# Altium PCB higgs.PcbDoc (part 8 of 25) (continued)
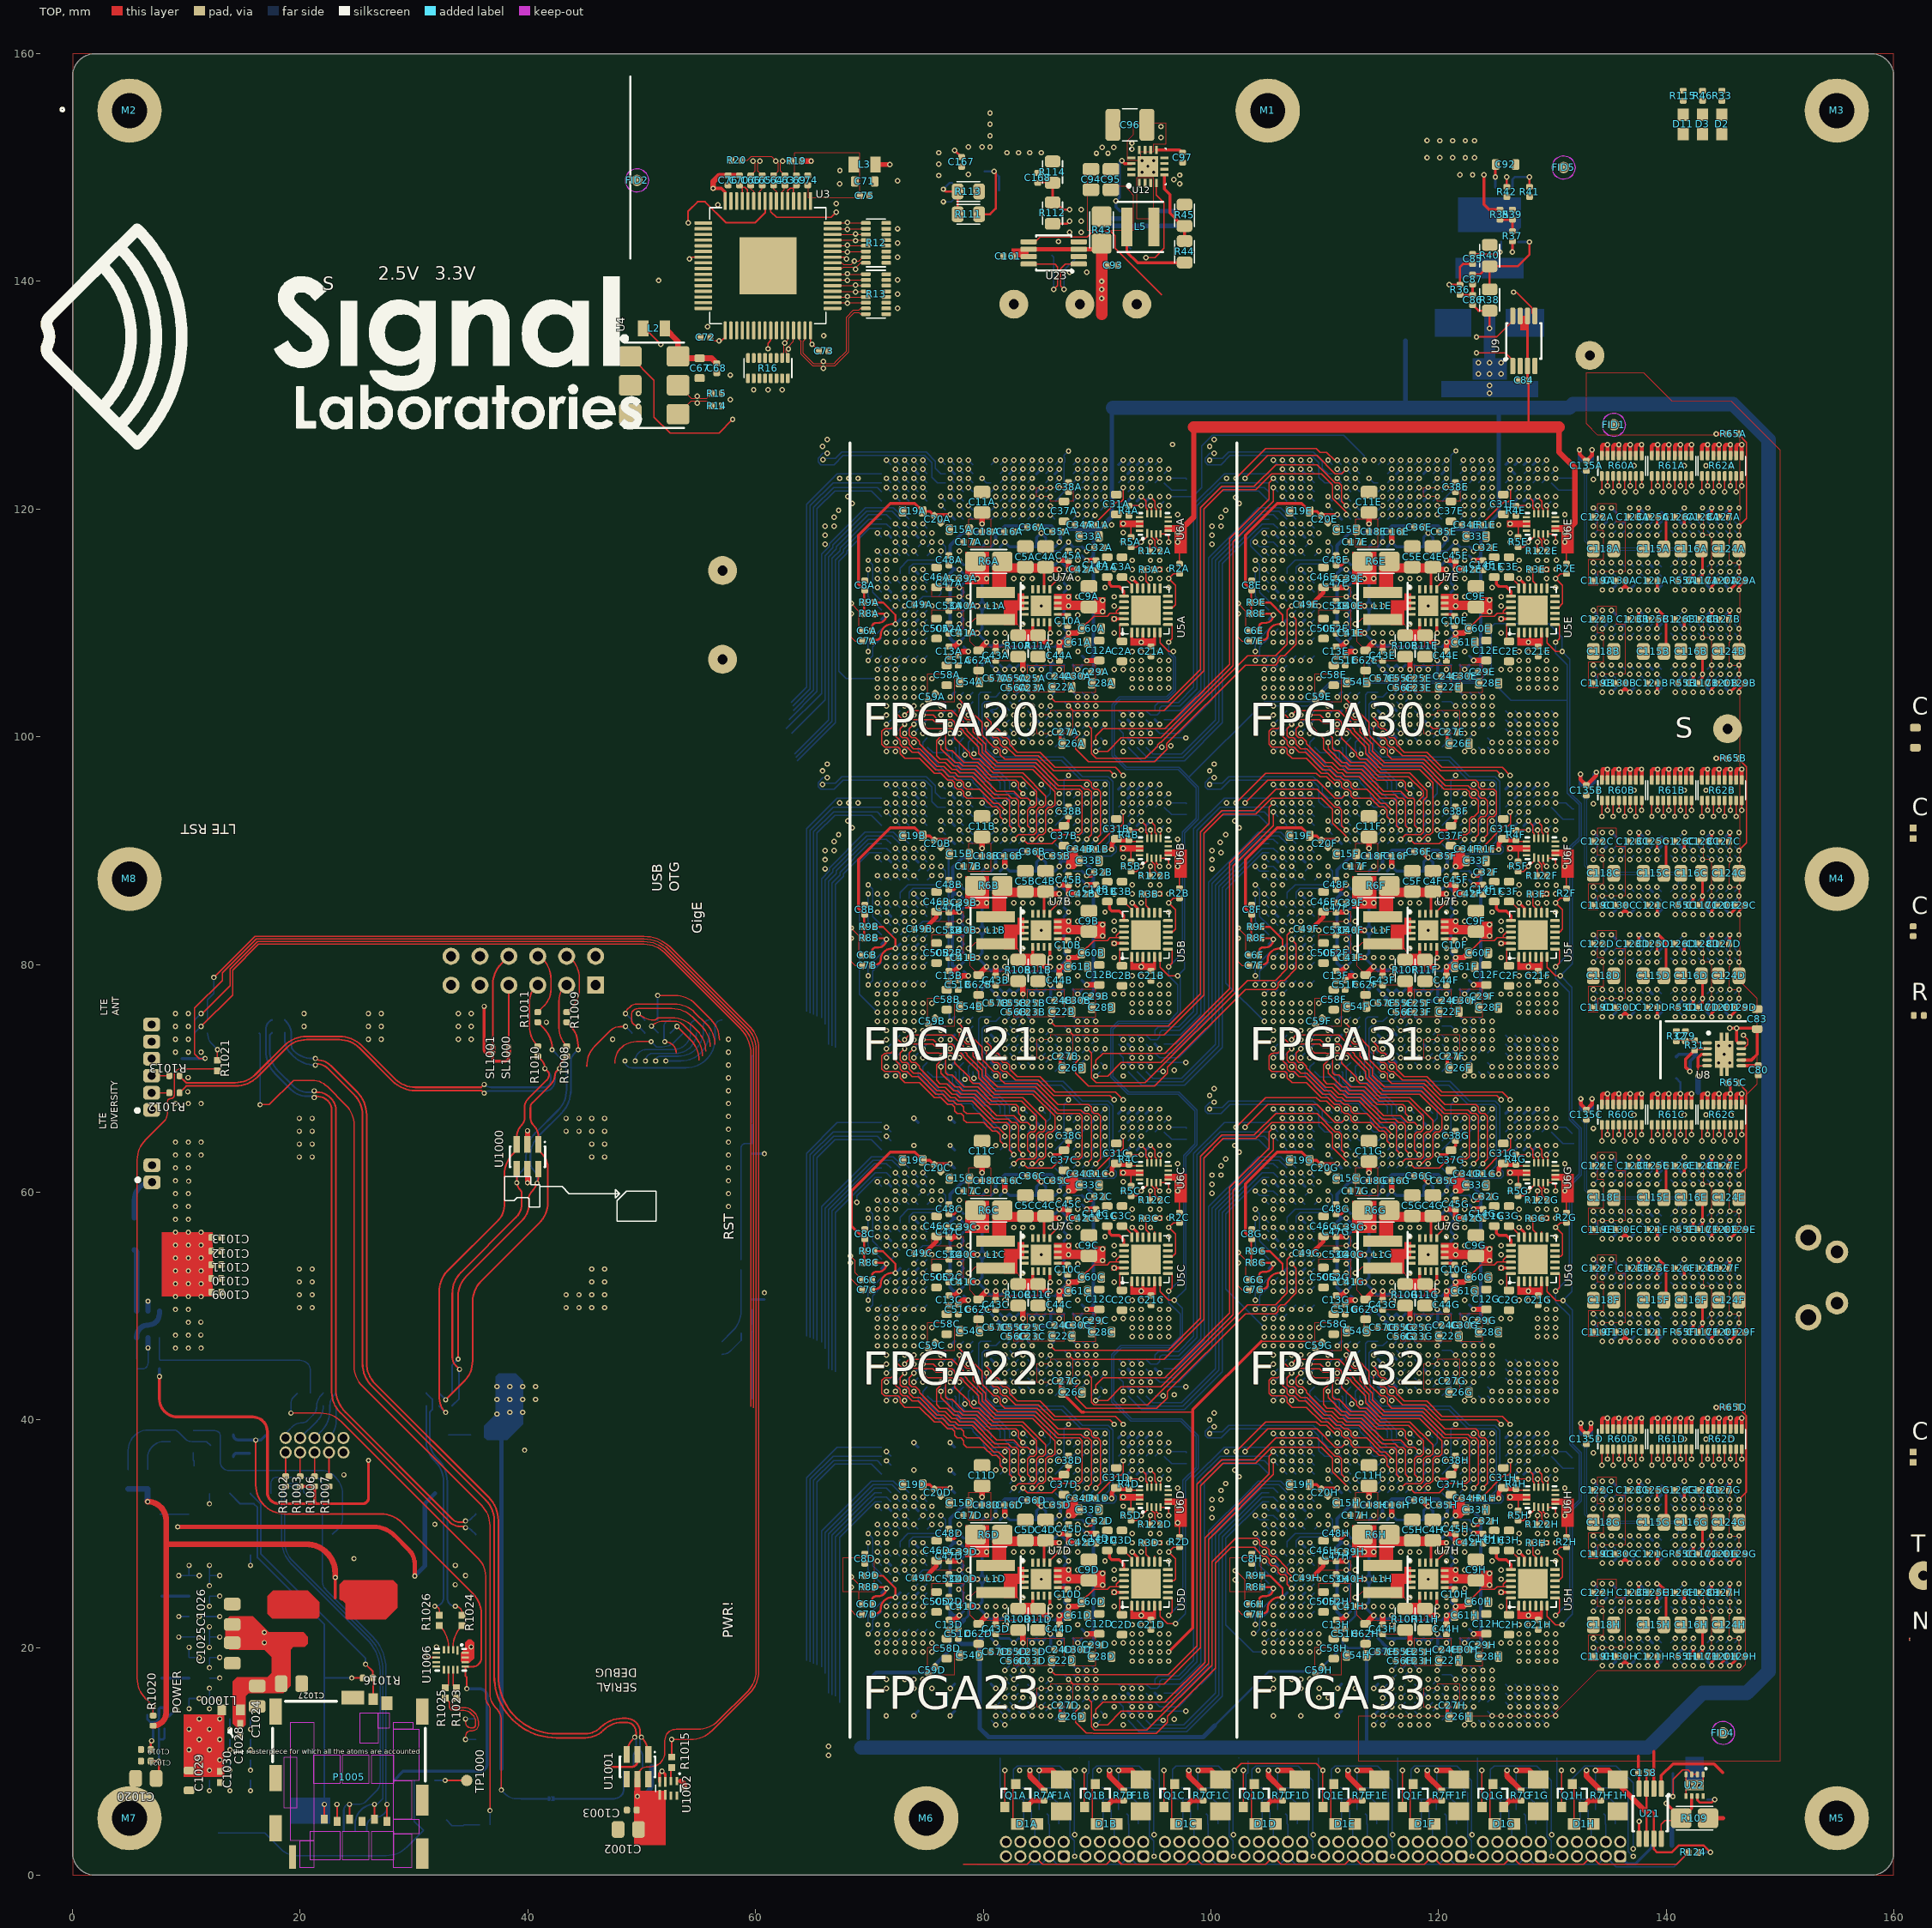
[diagram p0: TOP view]
## Nets (pads, with @x,y where several pads share a name; then routed paths per layer and width w, separated by ;. In a path a pad name is that pad's centre, name@x,y a point inside that pad or via, vN(x,y) a via of type N, cw(c..) or ccw(c..) an arc to the next point about the centre after c; other vN are vias at no path point) (continued)
 U1F.Y22 U1F.Y31 U1G.AA11 U1G.AA22 U1G.AB11 U1G.AB12 U1G.AB13 U1G.AB14 U1G.AB15 U1G.AB16 U1G.AB17 U1G.AB18 U1G.AB19 U1G.AB20 U1G.AB21 U1G.AB22 U1G.AC12 U1G.AC13 U1G.AC14 U1G.AC15 U1G.AC16 U1G.AC17 U1G.AC18 U1G.AC19 U1G.AC20 U1G.AC21 U1G.AD2 U1G.AD5 U1G.AD28 U1G.AD31 U1G.AF11 U1G.AF12 U1G.AF14 U1G.AF15 U1G.AF16 U1G.AF17 U1G.AF19 U1G.AF20 U1G.AF22 U1G.AF23 U1G.AG9 U1G.AG11 U1G.AG12 U1G.AG14 U1G.AG15 U1G.AG16 U1G.AG17 U1G.AG19 U1G.AG20 U1G.AG22 U1G.AG23 U1G.AH2 U1G.AH5 U1G.AH7 U1G.AH8 U1G.AH9 U1G.AH11 U1G.AH12 U1G.AH14 U1G.AH15 U1G.AH16 U1G.AH17 U1G.AH19 U1G.AH20 U1G.AH22 U1G.AH23 U1G.AH24 U1G.AH25 U1G.AH26 U1G.AH29 U1G.AH31 U1G.AJ7 U1G.AJ8 U1G.AJ9 U1G.AJ10 U1G.AJ11 U1G.AJ12 U1G.AJ13 U1G.AJ14 U1G.AJ15 U1G.AJ16 U1G.AJ17 U1G.AJ18 U1G.AJ19 U1G.AJ20 U1G.AJ21 U1G.AJ22 U1G.AJ23 U1G.AJ24 U1G.AJ25 U1G.AJ26 U1G.AK7 U1G.AK8 U1G.AK11 U1G.AK14 U1G.AK17 U1G.AK20 U1G.AK23 U1G.AK26 U1G.AL2 U1G.AL5 U1G.AL7 U1G.AL8 U1G.AL9 U1G.AL11 U1G.AL12 U1G.AL14 U1G.AL15 U1G.AL17 U1G.AL18 U1G.AL20 U1G.AL21 U1G.AL23 U1G.AL24 U1G.AL26 U1G.AL29 U1G.AL31 U1G.AM7 U1G.AM8 U1G.AM9 U1G.AM11 U1G.AM12 U1G.AM14 U1G.AM15 U1G.AM17 U1G.AM18 U1G.AM20 U1G.AM21 U1G.AM23 U1G.AM24 U1G.AM26 U1G.B2 U1G.B5 U1G.B9 U1G.B13 U1G.B15 U1G.B18 U1G.B20 U1G.B24 U1G.B28 U1G.B31 U1G.E2 U1G.E5 U1G.E9 U1G.E13 U1G.E15 U1G.E18 U1G.E20 U1G.E24 U1G.E28 U1G.E31 U1G.J2 U1G.J5 U1G.J28 U1G.J31 U1G.K10 U1G.K11 U1G.K22 U1G.K23 U1G.L10 U1G.L11 U1G.L12 U1G.L13 U1G.L14 U1G.L15 U1G.L16 U1G.L17 U1G.L18 U1G.L19 U1G.L20 U1G.L21 U1G.L22 U1G.L23 U1G.M11 U1G.M22 U1G.N2 U1G.N5 U1G.N11 U1G.N13 U1G.N14 U1G.N15 U1G.N16 U1G.N17 U1G.N18 U1G.N19 U1G.N20 U1G.N22 U1G.N28 U1G.N31 U1G.P11 U1G.P13 U1G.P14 U1G.P15 U1G.P16 U1G.P17 U1G.P18 U1G.P19 U1G.P20 U1G.P22 U1G.R2 U1G.R5 U1G.R11 U1G.R13 U1G.R14 U1G.R15 U1G.R16 U1G.R17 U1G.R18 U1G.R19 U1G.R20 U1G.R22 U1G.R28 U1G.R31 U1G.T11 U1G.T13 U1G.T14 U1G.T15 U1G.T16 U1G.T17 U1G.T18 U1G.T19 U1G.T20 U1G.T22 U1G.U11 U1G.U13 U1G.U14 U1G.U15 U1G.U16 U1G.U17 U1G.U18 U1G.U19 U1G.U20 U1G.U22 U1G.V2 U1G.V5 U1G.V11 U1G.V13 U1G.V14 U1G.V15 U1G.V16 U1G.V17 U1G.V18 U1G.V19 U1G.V20 U1G.V22 U1G.V28 U1G.V31 U1G.W11 U1G.W13 U1G.W14 U1G.W15 U1G.W16 U1G.W17 U1G.W18 U1G.W19 U1G.W20 U1G.W22 U1G.Y2 U1G.Y11 U1G.Y13 U1G.Y14 U1G.Y15 U1G.Y16 U1G.Y17 U1G.Y18 U1G.Y19 U1G.Y20 U1G.Y22 U1G.Y31 U1H.AA11 U1H.AA22 U1H.AB11 U1H.AB12 U1H.AB13 U1H.AB14 U1H.AB15 U1H.AB16 U1H.AB17 U1H.AB18 U1H.AB19 U1H.AB20 U1H.AB21 U1H.AB22 U1H.AC12 U1H.AC13 U1H.AC14 U1H.AC15 U1H.AC16 U1H.AC17 U1H.AC18 U1H.AC19 U1H.AC20 U1H.AC21 U1H.AD2 U1H.AD5 U1H.AD28 U1H.AD31 U1H.AF11 U1H.AF12 U1H.AF14 U1H.AF15 U1H.AF16 U1H.AF17 U1H.AF19 U1H.AF20 U1H.AF22 U1H.AF23 U1H.AG9 U1H.AG11 U1H.AG12 U1H.AG14 U1H.AG15 U1H.AG16 U1H.AG17 U1H.AG19 U1H.AG20 U1H.AG22 U1H.AG23 U1H.AH2 U1H.AH5 U1H.AH7 U1H.AH8 U1H.AH9 U1H.AH11 U1H.AH12 U1H.AH14 U1H.AH15 U1H.AH16 U1H.AH17 U1H.AH19 U1H.AH20 U1H.AH22 U1H.AH23 U1H.AH24 U1H.AH25 U1H.AH26 U1H.AH29 U1H.AH31 U1H.AJ7 U1H.AJ8 U1H.AJ9 U1H.AJ10 U1H.AJ11 U1H.AJ12 U1H.AJ13 U1H.AJ14 U1H.AJ15 U1H.AJ16 U1H.AJ17 U1H.AJ18 U1H.AJ19 U1H.AJ20 U1H.AJ21 U1H.AJ22 U1H.AJ23 U1H.AJ24 U1H.AJ25 U1H.AJ26 U1H.AK7 U1H.AK8 U1H.AK11 U1H.AK14 U1H.AK17 U1H.AK20 U1H.AK23 U1H.AK26 U1H.AL2 U1H.AL5 U1H.AL7 U1H.AL8 U1H.AL9 U1H.AL11 U1H.AL12 U1H.AL14 U1H.AL15 U1H.AL17 U1H.AL18 U1H.AL20 U1H.AL21 U1H.AL23 U1H.AL24 U1H.AL26 U1H.AL29 U1H.AL31 U1H.AM7 U1H.AM8 U1H.AM9 U1H.AM11 U1H.AM12 U1H.AM14 U1H.AM15 U1H.AM17 U1H.AM18 U1H.AM20 U1H.AM21 U1H.AM23 U1H.AM24 U1H.AM26 U1H.B2 U1H.B5 U1H.B9 U1H.B13 U1H.B15 U1H.B18 U1H.B20 U1H.B24 U1H.B28 U1H.B31 U1H.E2 U1H.E5 U1H.E9 U1H.E13 U1H.E15 U1H.E18 U1H.E20 U1H.E24 U1H.E28 U1H.E31 U1H.J2 U1H.J5 U1H.J28 U1H.J31 U1H.K10 U1H.K11 U1H.K22 U1H.K23 U1H.L10 U1H.L11 U1H.L12 U1H.L13 U1H.L14 U1H.L15 U1H.L16 U1H.L17 U1H.L18 U1H.L19 U1H.L20 U1H.L21 U1H.L22 U1H.L23 U1H.M11 U1H.M22 U1H.N2 U1H.N5 U1H.N11 U1H.N13 U1H.N14 U1H.N15 U1H.N16 U1H.N17 U1H.N18 U1H.N19 U1H.N20 U1H.N22 U1H.N28 U1H.N31 U1H.P11 U1H.P13 U1H.P14 U1H.P15 U1H.P16 U1H.P17 U1H.P18 U1H.P19 U1H.P20 U1H.P22 U1H.R2 U1H.R5 U1H.R11 U1H.R13 U1H.R14 U1H.R15 U1H.R16 U1H.R17 U1H.R18 U1H.R19 U1H.R20 U1H.R22 U1H.R28 U1H.R31 U1H.T11 U1H.T13 U1H.T14 U1H.T15 U1H.T16 U1H.T17 U1H.T18 U1H.T19 U1H.T20 U1H.T22 U1H.U11 U1H.U13 U1H.U14 U1H.U15 U1H.U16 U1H.U17 U1H.U18 U1H.U19 U1H.U20 U1H.U22 U1H.V2 U1H.V5 U1H.V11 U1H.V13 U1H.V14 U1H.V15 U1H.V16 U1H.V17 U1H.V18 U1H.V19 U1H.V20 U1H.V22 U1H.V28 U1H.V31 U1H.W11 U1H.W13 U1H.W14 U1H.W15 U1H.W16 U1H.W17 U1H.W18 U1H.W19 U1H.W20 U1H.W22 U1H.Y2 U1H.Y11 U1H.Y13 U1H.Y14 U1H.Y15 U1H.Y16 U1H.Y17 U1H.Y18 U1H.Y19 U1H.Y20 U1H.Y22 U1H.Y31 U2A.3 U2A.5 U2A.6 U2A.9 U2A.12 U2A.16 U2A.17 U2B.3 U2B.5 U2B.6 U2B.9 U2B.12 U2B.16 U2B.17 U3.2 U3.3 U3.14 U3.15 U3.32 U3.40 U3.49 U3.65 U4.3 U5A.2 U5A.12 U5A.16 U5A.20 U5A.25 U5B.2 U5B.12 U5B.16 U5B.20 U5B.25 U5C.2 U5C.12 U5C.16 U5C.20 U5C.25 U5D.2 U5D.12 U5D.16 U5D.20 U5D.25 U5E.2 U5E.12 U5E.16 U5E.20 U5E.25 U5F.2 U5F.12 U5F.16 U5F.20 U5F.25 U5G.2 U5G.12 U5G.16 U5G.20 U5G.25 U5H.2 U5H.12 U5H.16 U5H.20 U5H.25 U6A.7 U6A.8 U6A.16 U6B.7 U6B.8 U6B.16 U6C.7 U6C.8 U6C.16 U6D.7 U6D.8 U6D.16 U6E.7 U6E.8 U6E.16 U6F.7 U6F.8 U6F.16 U6G.7 U6G.8 U6G.16 U6H.7 U6H.8 U6H.16 U7A.4 U7A.6 U7A.7 U7A.8 U7A.15 U7A.16 U7A.17 U7B.4 U7B.6 U7B.7 U7B.8 U7B.15 U7B.16 U7B.17 U7C.4 U7C.6 U7C.7 U7C.8 U7C.15 U7C.16 U7C.17 U7D.4 U7D.6 U7D.7 U7D.8 U7D.15 U7D.16 U7D.17 U7E.4 U7E.6 U7E.7 U7E.8 U7E.15 U7E.16 U7E.17 U7F.4 U7F.6 U7F.7 U7F.8 U7F.15 U7F.16 U7F.17 U7G.4 U7G.6 U7G.7 U7G.8 U7G.15 U7G.16 U7G.17 U7H.4 U7H.6 U7H.7 U7H.8 U7H.15 U7H.16 U7H.17 U8.4 U8.8 U8.11 U9.2 U9.4 U10.23 U11.2 U11.4 U12.6 U12.7 U12.8 U12.15 U12.16 U12.17 U13A.1 U13A.2 U13A.4 U13A.11 U13A.12 U13A.14 U13A.15 U13A.16 U13A.17 U13A.21 U13B.1 U13B.2 U13B.4 U13B.11 U13B.12 U13B.14 U13B.15 U13B.16 U13B.17 U13B.21 U14A.A9 U14A.B1 U14A.B3 U14A.B9 U14A.D1 U14A.D8 U14A.E1 U14A.E2 U14A.E8 U14A.F9 U14A.G1 U14A.G8 U14A.G9 U14A.J2 U14A.J8 U14A.M1 U14A.M9 U14A.P1 U14A.P9 U14A.T1 U14A.T9 U14B.A9 U14B.B1 U14B.B3 U14B.B9 U14B.D1 U14B.D8 U14B.E1 U14B.E2 U14B.E8 U14B.F9 U14B.G1 U14B.G8 U14B.G9 U14B.J2 U14B.J8 U14B.M1 U14B.M9 U14B.P1 U14B.P9 U14B.T1 U14B.T9 U14C.A9 U14C.B1 U14C.B3 U14C.B9 U14C.D1 U14C.D8 U14C.E1 U14C.E2 U14C.E8 U14C.F9 U14C.G1 U14C.G8 U14C.G9 U14C.J2 U14C.J8 U14C.M1 U14C.M9 U14C.P1 U14C.P9 U14C.T1 U14C.T9 U14D.A9 U14D.B1 U14D.B3 U14D.B9 U14D.D1 U14D.D8 U14D.E1 U14D.E2 U14D.E8 U14D.F9 U14D.G1 U14D.G8 U14D.G9 U14D.J2 U14D.J8 U14D.M1 U14D.M9 U14D.P1 U14D.P9 U14D.T1 U14D.T9 U14E.A9 U14E.B1 U14E.B3 U14E.B9 U14E.D1 U14E.D8 U14E.E1 U14E.E2 U14E.E8 U14E.F9 U14E.G1 U14E.G8 U14E.G9 U14E.J2 U14E.J8 U14E.M1 U14E.M9 U14E.P1 U14E.P9 U14E.T1 U14E.T9 U14F.A9 U14F.B1 U14F.B3 U14F.B9 U14F.D1 U14F.D8 U14F.E1 U14F.E2 U14F.E8 U14F.F9 U14F.G1 U14F.G8 U14F.G9 U14F.J2 U14F.J8 U14F.M1 U14F.M9 U14F.P1 U14F.P9 U14F.T1 U14F.T9 U14G.A9 U14G.B1 U14G.B3 U14G.B9 U14G.D1 U14G.D8 U14G.E1 U14G.E2 U14G.E8 U14G.F9 U14G.G1 U14G.G8 U14G.G9 U14G.J2 U14G.J8 U14G.M1 U14G.M9 U14G.P1 U14G.P9 U14G.T1 U14G.T9 U14H.A9 U14H.B1 U14H.B3 U14H.B9 U14H.D1 U14H.D8 U14H.E1 U14H.E2 U14H.E8 U14H.F9 U14H.G1 U14H.G8 U14H.G9 U14H.J2 U14H.J8 U14H.M1 U14H.M9 U14H.P1 U14H.P9 U14H.T1 U14H.T9 U15.2 U16A.8 U16B.8 U17A.5 U17A.6 U17A.7 U17A.8 U17A.17 U17B.5 U17B.6 U17B.7 U17B.8 U17B.17 U18.A5 U18.A12 U18.G1 U18.L5 U18.M5 U19.3 U20.3 U21.2 U21.4 U22.1 U22.4 U22.5 U22.9 U23.2 U23.4 U24.6 U24.7 U24.8 U24.15 U24.16 U24.17 U27A.2 U27B.2 U27C.2 U27D.2 U27E.2 U27F.2 U27G.2 U27H.2 U1000.2 U1001.2 U1002.8 U1003.PA4 U1003.PA9 U1003.PA21 U1003.PA28 U1003.PA34 U1003.PA43 U1003.PAB1 U1003.PAB2 U1003.PAC42 U1003.PAC43 U1003.PAE42 U1003.PAF42 U1003.PAF43 U1003.PAK16 U1003.PAL16 U1003.PB1 U1003.PB9 U1003.PB15 U1003.PB21 U1003.PB28 U1003.PB34 U1003.PB43 U1003.PC1 U1003.PC42 U1003.PC43 U1003.PD1 U1003.PE1 U1003.PE2 U1003.PF1 U1003.PF2 U1003.PF43 U1003.PG1 U1003.PG42 U1003.PG43 U1003.PH1 U1003.PJ1 U1003.PJ2 U1003.PK1 U1003.PK2 U1003.PL1 U1003.PL2 U1003.PL42 U1003.PL43 U1003.PM1 U1003.PM2 U1003.PN1 U1003.PN2 U1003.PN43 U1003.PP1 U1003.PP43 U1003.PR1 U1003.PR2 U1003.PT2 U1003.PT43 U1003.TP282 U1003.TP283 U1003.TP284 U1003.TP285 U1003.TP286 U1003.TP287 U1003.TP288 U1003.TP289 U1003.TP290 U1003.TP291 U1003.TP292 U1003.TP293 U1003.TP294 U1003.TP295 U1003.TP296 U1003.TP297 U1003.TP298 U1003.TP299 U1003.TP300 U1003.TP301 U1004.8 U1005.A2 U1005.B13 U1005.D4 U1005.E1 U1005.E2 U1005.E14 U1005.F2 U1005.G1 U1005.G2 U1005.H1 U1005.H2 U1005.J1 U1005.J2 U1005.K2 U1005.L1 U1005.L2 U1005.M3 U1005.M4 U1005.M12 U1005.N3 U1005.N4 U1005.N5 U1005.N6 U1005.P3 U1005.P4 U1005.P5 U1005.P6 U1005.P8 U1005.P9 U1005.P10 U1005.P13 U1005.R2 U1005.R3 U1005.R4 U1005.R5 U1005.R6 U1005.R8 U1005.R10 U1006.1 U1006.4 U1006.5 U1006.7 U1006.8 | length 270.3
  TOP w0.102: R19.2@64.035,150.626 R19.2@64.085,150.576 ; U22.5@141.75,6.95 141.75,7.65 U22.9@141.8,7.7 ; U22.4@141.75,8.85 141.75,8.05 U22.9@141.8,8 ; U22.9@143.2,7.8 143.25,7.85 U22.1@143.25,8.85
  TOP w0.152: P1005.C5@23.229,4.719 v2(23.229,6.219)
  TOP w0.2: v1(144.801,18.4) 144.801,18.576 145.33,19.105 C120H.1@145.33,19.2 ; v1(146.401,84.4) 146.401,84.671 C129C.1@146.93,85.2 ; v1(146.401,103.9) 146.401,104.171 C129B.1@146.93,104.7 ; v1(146.401,112.9) 146.401,113.171 C129A.1@146.93,113.7
  TOP w0.203: v2(46.954,9.513) 49.113,9.513 ccw(c49.113,10.029) 49.629,10.029 U1001.2@49.629,10.594
  TOP w0.254: 137.57,10.466 C158.1@137.57,9 137.625,8.945 U21.4@137.625,7.6 ; U21.2@138.925,7.6 138.934,7.6 138.934,10.866
  TOP w0.457: U1000.2@39.969,64.182 v2(39.969,65.393)
  TOP w0.483: R19.2@64.085,150.576 v1(64.89,150.576) ; v1(84.11,9.2) 84.105,9.195 84.105,8.7 R7A.2@85.259,7.546 ; v1(91.095,9.2) 91.09,9.195 91.09,8.7 R7B.2@92.244,7.546 ; v1(98.08,9.2) 98.075,9.195 98.075,8.7 R7C.2@99.229,7.546 ; v1(105.065,9.2) 105.06,9.195 105.06,8.7 R7D.2@106.214,7.546 ; v1(112.05,9.2) 112.045,9.195 112.045,8.7 R7E.2@113.199,7.546 ; v1(119.035,9.2) 119.03,9.195 119.03,8.7 R7F.2@120.184,7.546 ; v1(126.02,9.2) 126.015,9.195 126.015,8.7 R7G.2@127.169,7.546 ; v1(133.005,9.2) 133,9.195 133,8.7 R7H.2@134.154,7.546
  BOT w0.1: U1A.N28@80.7,102.3 80.796,102.396 81.119,102.396 81.36,102.637 81.963,102.637 U1A.R28@82.3,102.3
  BOT w0.102: U1D.N2@80.7,37.6 80.795,37.505 80.992,37.505 81.296,37.2 v1(81.9,37.2) ; U1C.N2@80.7,66.1 80.795,66.005 80.992,66.005 81.296,65.7 v1(81.9,65.7) ; U1B.N2@80.7,94.6 80.795,94.505 80.992,94.505 81.296,94.2 v1(81.9,94.2) ; 81.505,10.3 81.506,10.299 81.506,7.599 82.405,6.7 84.605,6.7 84.905,6.4 U27A.2@84.905,5.75 ; v1(81.9,17.2) U1D.R28@82.3,16.8 ; v1(81.9,43.3) U1C.R31@82.3,42.9 ; v1(81.9,45.7) U1C.R28@82.3,45.3 ; v1(81.9,71.8) U1B.R31@82.3,71.4 ; v1(81.9,74.2) U1B.R28@82.3,73.8 ; R124A.2@83.56,4.5 83.56,6.655 ; 88.49,10.3 88.491,10.299 ; 89.289,10.036 89.289,9.035 89.125,8.871 89.125,6.965 89.39,6.7 91.59,6.7 91.89,6.4 U27B.2@91.89,5.75 ; R124B.2@90.545,4.5 90.545,6.655 ; 95.475,10.3 95.476,10.299 95.476,7.599 96.375,6.7 98.575,6.7 98.875,6.4 U27C.2@98.875,5.75 ; R124C.2@97.53,4.5 97.53,6.655 ; 102.46,10.3 102.461,10.299 ; 103.259,10.036 103.259,9.035 103.095,8.871 103.095,6.965 103.36,6.7 105.56,6.7 105.86,6.4 U27D.2@105.86,5.75 ; R124D.2@104.515,4.5 104.515,6.655 ; 109.445,10.3 109.446,10.299 109.446,7.599 110.345,6.7 112.545,6.7 112.845,6.4 U27E.2@112.845,5.75 ; R124E.2@111.5,4.5 111.5,6.655 ; U1H.N2@114.7,37.6 114.795,37.505 114.992,37.505 115.296,37.2 v1(115.9,37.2) ; U1G.N2@114.7,66.1 114.795,66.005 114.992,66.005 115.296,65.7 v1(115.9,65.7) ; U1F.N2@114.7,94.6 114.795,94.505 114.992,94.505 115.296,94.2 v1(115.9,94.2) ; 116.43,10.3 116.431,10.299 116.431,7.599 117.33,6.7 119.53,6.7 119.83,6.4 U27F.2@119.83,5.75 ; R124F.2@118.485,4.5 118.485,6.655 ; 123.415,10.3 123.416,10.299 123.416,7.599 124.315,6.7 126.515,6.7 126.815,6.4 U27G.2@126.815,5.75 ; R124G.2@125.47,4.5 125.47,6.655 ; 130.4,10.3 130.401,10.299 130.401,7.599 131.3,6.7 133.5,6.7 133.8,6.4 U27H.2@133.8,5.75 ; R124H.2@132.455,4.5 132.455,6.655
  BOT w0.127: v2(9.329,20.919) U1005.H1@10.229,20.919 v2(11.129,20.919) ; v2(9.329,22.719) U1005.G1@10.229,22.719 ; v2(9.329,26.319) U1005.E1@10.229,26.319 ; v2(10.229,14.619) U1005.L1@10.229,15.519 v2(11.129,15.519) ; v2(10.229,20.019) U1005.J1@10.229,19.119 v2(11.129,19.119) ; v2(10.229,27.219) U1005.E1@10.229,26.319 ; v2(11.129,22.719) v2(12.929,22.719) ; v2(11.129,26.319) U1005.E1@10.229,26.319 ; v2(12.029,7.419) U1005.R2@12.029,8.319 ; v2(12.029,14.619) U1005.L2@12.029,15.519 ; v2(12.029,16.419) U1005.L2@12.029,15.519 ; U1005.K2@12.029,17.319 v2(12.929,17.319) ; v2(12.029,18.219) U1005.J2@12.029,19.119 v2(12.929,19.119) ; v2(12.029,20.019) U1005.H2@12.029,20.919 ; v2(12.029,21.819) U1005.H2@12.029,20.919 ; v2(12.029,23.619) U1005.F2@12.029,24.519 v2(12.929,24.519) ; v2(12.029,25.419) U1005.E2@12.029,26.319 ; v2(12.029,27.219) U1005.E2@12.029,26.319 ; v2(12.029,32.619) U1005.A2@12.029,33.519 ; v2(12.929,15.519) U1005.L2@12.029,15.519 ; v2(12.929,20.919) U1005.H2@12.029,20.919 ; v2(12.929,26.319) U1005.E2@12.029,26.319 ; v2(13.829,7.419) U1005.R3@13.829,8.319 ; v2(13.829,9.219) U1005.P3@13.829,10.119 ; v2(13.829,11.019) U1005.N3@13.829,11.919 ; v2(13.829,12.819) U1005.M3@13.829,13.719 ; v2(15.629,7.419) U1005.R4@15.629,8.319 ; v2(15.629,9.219) U1005.P4@15.629,10.119 ; v2(15.629,11.019) U1005.N4@15.629,11.919 ; v2(15.629,12.819) U1005.M4@15.629,13.719 ; v2(15.629,27.219) U1005.D4@15.629,28.119
  BOT w0.254: v1(71.5,27.6) U1D.B15@71.9,27.2 ; v1(71.5,32.4) U1D.B9@71.9,32 ; v1(71.5,56.1) U1C.B15@71.9,55.7 ; v1(71.5,60.9) U1C.B9@71.9,60.5 ; v1(71.5,84.6) U1B.B15@71.9,84.2 ; v1(71.5,89.4) U1B.B9@71.9,89 ; v1(71.5,113.1) U1A.B15@71.9,112.7 ; v1(71.5,117.9) U1A.B9@71.9,117.5 ; v1(73.9,14) U1D.E31@74.3,14.4 ; v1(73.9,24.425) 73.925,24.425 U1D.E18@74.3,24.8 ; v1(73.9,29.2) U1D.E13@74.3,28.8 ; v1(73.9,32.4) U1D.E9@74.3,32 ; v1(73.9,38) U1D.E2@74.3,37.6 ; v1(73.9,52.9) U1C.E18@74.3,53.3 ; v1(73.9,57.7) U1C.E13@74.3,57.3 ; v1(73.9,60.9) U1C.E9@74.3,60.5 ; v1(73.9,66.5) U1C.E2@74.3,66.1 ; v1(73.9,81.4) U1B.E18@74.3,81.8 ; v1(73.9,86.2) U1B.E13@74.3,85.8 ; v1(73.9,89.4) U1B.E9@74.3,89 ; v1(73.9,95) U1B.E2@74.3,94.6 ; v1(73.9,109.9) U1A.E18@74.3,110.3 ; v1(73.9,114.7) U1A.E13@74.3,114.3 ; v1(73.9,117.9) U1A.E9@74.3,117.5 ; v1(73.9,123.5) U1A.E2@74.3,123.1 ; v1(77.1,14) U1D.J31@77.5,14.4 ; v1(77.1,35.6) U1D.J5@77.5,35.2 ; v1(77.1,38) U1D.J2@77.5,37.6 ; v1(77.1,42.5) U1C.J31@77.5,42.9 ; v1(77.1,44.9) U1C.J28@77.5,45.3 ; v1(77.1,64.1) U1C.J5@77.5,63.7 ; v1(77.1,66.5) U1C.J2@77.5,66.1 ; v1(77.1,71) U1B.J31@77.5,71.4 ; v1(77.1,73.4) U1B.J28@77.5,73.8 ; v1(77.1,92.6) U1B.J5@77.5,92.2 ; v1(77.1,95) U1B.J2@77.5,94.6 ; v1(77.1,99.5) U1A.J31@77.5,99.9 ; v1(77.1,101.9) U1A.J28@77.5,102.3 ; v1(77.1,121.1) U1A.J5@77.5,120.7 ; v1(77.1,123.5) U1A.J2@77.5,123.1 ; v1(77.106,16.401) 77.106,16.406 U1D.J28@77.5,16.8 ; U1D.N28@80.7,16.8 v1(81.1,16.4) ; U1C.N31@80.7,42.9 v1(81.1,42.5) ; U1C.N28@80.7,45.3 v1(81.1,44.9) ; U1B.N31@80.7,71.4 v1(81.1,71) ; U1B.N28@80.7,73.8 v1(81.1,73.4) ; U1A.N31@80.7,99.9 v1(81.1,99.5) ; U1A.N28@80.7,102.3 v1(81.1,101.9) ; v1(81.9,14.8) U1D.R31@82.3,14.4 ; v1(81.9,37.2) U1D.R2@82.3,37.6 ; v1(81.9,65.7) U1C.R2@82.3,66.1 ; v1(81.9,94.2) U1B.R2@82.3,94.6 ; v1(81.9,100.3) U1A.R31@82.3,99.9 ; U1D.R5@82.3,35.2 v1(82.7,35.6) ; U1C.R5@82.3,63.7 v1(82.7,64.1) ; U1B.R5@82.3,92.2 v1(82.7,92.6) ; U1A.R5@82.3,120.7 v1(82.7,121.1) ; U1A.R2@82.3,123.1 v1(82.7,123.5) ; U1D.V5@84.7,35.2 v1(85.1,35.6) ; U1D.V2@84.7,37.6 v1(85.1,37.2) ; U1C.V5@84.7,63.7 v1(85.1,64.1) ; U1C.V2@84.7,66.1 v1(85.1,65.7) ; U1B.V5@84.7,92.2 v1(85.1,92.6) ; U1B.V2@84.7,94.6 v1(85.1,94.2) ; U1A.V5@84.7,120.7 v1(85.1,121.1) ; U1A.V2@84.7,123.1 v1(85.1,123.5) ; U1A.Y2@86.3,123.1 v1(86.7,123.5) ; U1D.AD5@89.5,35.2 v1(89.9,35.6) ; U1D.AD2@89.5,37.6 v1(89.9,38) ; U1C.AD5@89.5,63.7 v1(89.9,64.1) ; U1C.AD2@89.5,66.1 v1(89.9,66.5) ; U1B.AD5@89.5,92.2 v1(89.9,92.6) ; U1B.AD2@89.5,94.6 v1(89.9,95) ; U1A.AD5@89.5,120.7 v1(89.9,121.1) ; U1A.AD2@89.5,123.1 v1(89.9,123.5) ; U1D.AH31@92.7,14.4 v1(93.1,14) ; U1D.AH29@92.7,16 v1(93.1,15.6) ; U1D.AH5@92.7,35.2 v1(93.1,35.6) ; U1D.AH2@92.7,37.6 v1(93.1,38) ; U1C.AH31@92.7,42.9 v1(93.1,42.5) ; U1C.AH29@92.7,44.5 v1(93.1,44.1) ; U1C.AH5@92.7,63.7 v1(93.1,64.1) ; U1C.AH2@92.7,66.1 v1(93.1,66.5) ; U1B.AH31@92.7,71.4 v1(93.1,71) ; U1B.AH29@92.7,73 v1(93.1,72.6) ; U1B.AH5@92.7,92.2 v1(93.1,92.6) ; U1B.AH2@92.7,94.6 v1(93.1,95) ; U1A.AH31@92.7,99.9 v1(93.1,99.5) ; U1A.AH29@92.7,101.5 v1(93.1,101.1) ; U1A.AH5@92.7,120.7 v1(93.1,121.1) ; U1A.AH2@92.7,123.1 v1(93.1,123.5) ; U1D.AL29@95.1,16 v1(95.5,15.6) ; U1C.AL29@95.1,44.5 v1(95.5,44.1) ; U1B.AL29@95.1,73 v1(95.5,72.6) ; U1A.AL29@95.1,101.5 v1(95.5,101.1) ; v1(105.5,27.6) U1H.B15@105.9,27.2 ; v1(105.5,32.4) U1H.B9@105.9,32 ; v1(105.5,56.1) U1G.B15@105.9,55.7 ; v1(105.5,60.9) U1G.B9@105.9,60.5 ; v1(105.5,84.6) U1F.B15@105.9,84.2 ; v1(105.5,89.4) U1F.B9@105.9,89 ; v1(105.5,113.1) U1E.B15@105.9,112.7 ; v1(105.5,117.9) U1E.B9@105.9,117.5 ; v1(107.9,24.4) U1H.E18@108.3,24.8 ; v1(107.9,29.2) U1H.E13@108.3,28.8 ; v1(107.9,32.4) U1H.E9@108.3,32 ; v1(107.9,38) U1H.E2@108.3,37.6 ; v1(107.9,52.9) U1G.E18@108.3,53.3 ; v1(107.9,57.7) U1G.E13@108.3,57.3 ; v1(107.9,60.9) U1G.E9@108.3,60.5 ; v1(107.9,66.5) U1G.E2@108.3,66.1 ; v1(107.9,81.4) U1F.E18@108.3,81.8 ; v1(107.9,86.2) U1F.E13@108.3,85.8 ; v1(107.9,89.4) U1F.E9@108.3,89 ; v1(107.9,95) U1F.E2@108.3,94.6 ; v1(107.9,109.9) U1E.E18@108.3,110.3 ; v1(107.9,114.7) U1E.E13@108.3,114.3 ; v1(107.9,117.9) U1E.E9@108.3,117.5 ; v1(107.9,123.5) U1E.E2@108.3,123.1 ; v1(111.1,14) U1H.J31@111.5,14.4 ; v1(111.1,35.6) U1H.J5@111.5,35.2 ; v1(111.1,38) U1H.J2@111.5,37.6 ; v1(111.1,42.5) U1G.J31@111.5,42.9 ; v1(111.1,44.9) U1G.J28@111.5,45.3 ; v1(111.1,64.1) U1G.J5@111.5,63.7 ; v1(111.1,66.5) U1G.J2@111.5,66.1 ; v1(111.1,71) U1F.J31@111.5,71.4 ; v1(111.1,73.4) U1F.J28@111.5,73.8 ; v1(111.1,92.6) U1F.J5@111.5,92.2 ; v1(111.1,95) U1F.J2@111.5,94.6 ; v1(111.1,99.5) U1E.J31@111.5,99.9 ; v1(111.1,101.9) U1E.J28@111.5,102.3 ; v1(111.1,121.1) U1E.J5@111.5,120.7 ; v1(111.1,123.5) U1E.J2@111.5,123.1 ; v1(111.132,16.401) 111.132,16.432 U1H.J28@111.5,16.8 ; v1(114.3,14) U1H.N31@114.7,14.4 ; v1(114.3,16.4) U1H.N28@114.7,16.8 ; U1G.N31@114.7,42.9 v1(115.1,42.5) ; U1G.N28@114.7,45.3 v1(115.1,44.9) ; U1F.N31@114.7,71.4 v1(115.1,71) ; U1F.N28@114.7,73.8 v1(115.1,73.4) ; U1E.N31@114.7,99.9 v1(115.1,99.5) ; U1E.N28@114.7,102.3 v1(115.1,101.9) ; v1(115.9,37.2) U1H.R2@116.3,37.6 ; v1(115.9,43.3) U1G.R31@116.3,42.9 ; v1(115.9,45.7) U1G.R28@116.3,45.3 ; v1(115.9,65.7) U1G.R2@116.3,66.1 ; v1(115.9,71.8) U1F.R31@116.3,71.4 ; v1(115.9,74.2) U1F.R28@116.3,73.8 ; v1(115.9,94.2) U1F.R2@116.3,94.6 ; v1(115.9,100.3) U1E.R31@116.3,99.9 ; v1(115.9,102.7) U1E.R28@116.3,102.3 ; U1H.R5@116.3,35.2 v1(116.7,35.6) ; U1G.R5@116.3,63.7 v1(116.7,64.1) ; U1F.R5@116.3,92.2 v1(116.7,92.6) ; U1E.R5@116.3,120.7 v1(116.7,121.1) ; U1E.R2@116.3,123.1 v1(116.7,123.5) ; U1H.V5@118.7,35.2 v1(119.1,35.6) ; U1H.V2@118.7,37.6 v1(119.1,37.2) ; U1G.V5@118.7,63.7 v1(119.1,64.1) ; U1G.V2@118.7,66.1 v1(119.1,65.7) ; U1F.V5@118.7,92.2 v1(119.1,92.6) ; U1F.V2@118.7,94.6 v1(119.1,94.2) ; U1E.V5@118.7,120.7 119.106,121.106 v1(119.108,121.106) ; U1E.V2@118.7,123.1 v1(119.1,123.5) ; U1H.Y2@120.3,37.6 v1(120.7,38) ; U1E.Y2@120.3,123.1 v1(120.7,123.5) ; U1H.AD5@123.5,35.2 v1(123.9,35.6) ; U1H.AD2@123.5,37.6 v1(123.9,38) ; U1G.AD5@123.5,63.7 v1(123.9,64.1) ; U1G.AD2@123.5,66.1 v1(123.9,66.5) ; U1F.AD5@123.5,92.2 v1(123.9,92.6) ; U1F.AD2@123.5,94.6 v1(123.9,95) ; U1E.AD5@123.5,120.7 v1(123.9,121.1) ; U1E.AD2@123.5,123.1 v1(123.9,123.5) ; v1@126.333,123.481 126.333,123.467 U1E.AH2@126.7,123.1 ; U1H.AH29@126.7,16 v1(127.1,15.6) ; U1H.AH5@126.7,35.2 v1(127.1,35.6) ; U1H.AH2@126.7,37.6 v1(127.1,38) ; U1G.AH29@126.7,44.5 v1(127.1,44.1) ; U1G.AH5@126.7,63.7 v1(127.1,64.1) ; U1G.AH2@126.7,66.1 v1(127.1,66.5) ; U1F.AH29@126.7,73 v1(127.1,72.6) ; U1F.AH5@126.7,92.2 v1(127.1,92.6) ; U1F.AH2@126.7,94.6 v1(127.1,95) ; U1E.AH29@126.7,101.5 v1(127.1,101.1) ; U1E.AH5@126.7,120.7 v1(127.1,121.1) ; U1H.AL29@129.1,16 v1(129.5,15.6) ; U1G.AL29@129.1,44.5 v1(129.5,44.1) ; U1F.AL29@129.1,73 v1(129.5,72.6) ; U1E.AL29@129.1,101.5 v1(129.5,101.1) ; J5H.1@135.975,1.65 136.625,1 137.3,1 138.7,2.4 C159.1@138.7,2.6
  BOT w0.457: Q1000.5@6.63,49.544 v2(6.629,50.419)